# Altium PCB OpenCore_Carrier_Board.PcbDoc (part 2 of 5)
Units mm, origin at the board's own origin, x right, y up, seen from the top; angles counter-clockwise.
Board outline 161.24 x 91.44 mm, 6 copper layers (TOP, L2 GND, L3 PWR, L4 SIG, L5 GND, BOT), stack 1.538 mm thick; 268 components, 173 nets, 1302 pads, 1165 vias.
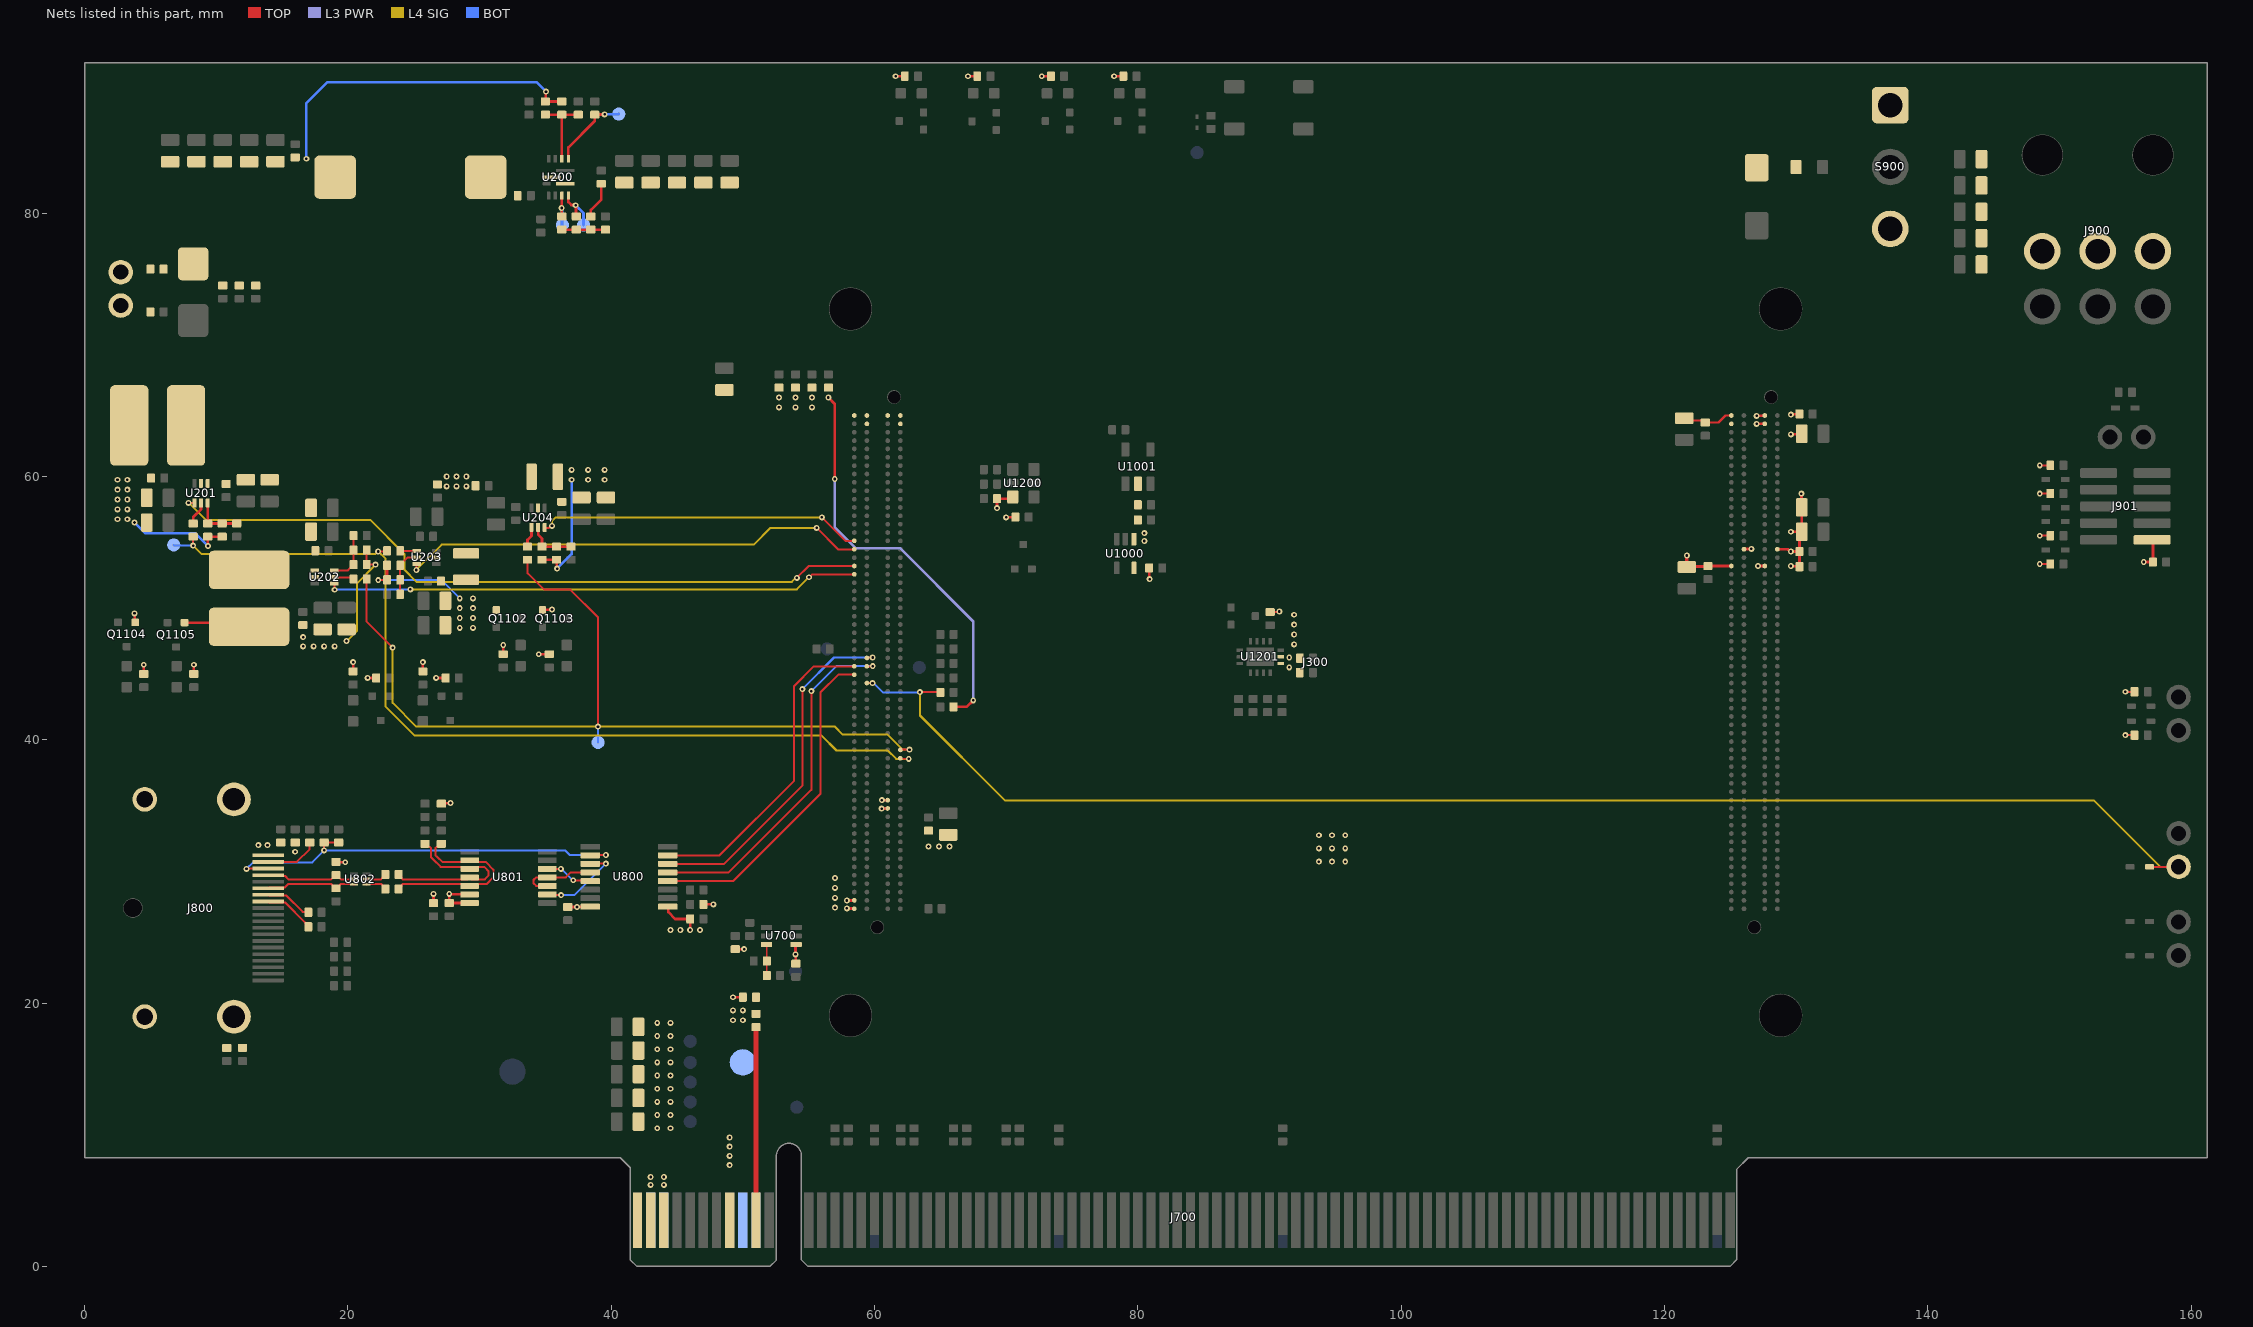
[diagram p6: the nets of this part, all layers, seen from the top]

## Footprints (in the part's own frame and the unit in brackets; to place one, negate y for a bottom-side part, rotate by r counter-clockwise, add the part's x,y. Pads: shape width x height; smd on the part's side, far side on the other; paste and mask are expansions set on the pad) (continued)
TI_TSSOP14_PW [mm] "TSOP, 14-Leads, Body 5.00x4.40mm, Pitch 0.65mm, IPC Medium Density"
  rrect25% 1.4x0.45 smd mask+0.05: 1(-2.95,1.95) 2(-2.95,1.3) 3(-2.95,0.65) 4(-2.95,0) 5(-2.95,-0.65) 6(-2.95,-1.3) 7(-2.95,-1.95) 8(2.95,-1.95) 9(2.95,-1.3) 10(2.95,-0.65) 11(2.95,0) 12(2.95,0.65) 13(2.95,1.3) 14(2.95,1.95)
  silkscreen extent -3.1,-2.55 1.85,2.7, body extent -3.2,-2.55 3.2,2.55, height 1.2
TP_1MM [mm] "1MM SMD Round Pad"
  round 1 smd: 1(0,0)
TP_2MM [mm] "2MM SMD Round Pad"
  round 2 smd: 1(0,0)

## Part data
C200 C207 C208 C215 C220 C223 C224 C226 C231 C233 C234 C236 C300 C301 C303 C400 C401 C402 C403 C500 C502 C600 C602 C604 C700 C701 C702 C703 C704 C705 C706 C707 C708 C709 C800 C801 C802 C803 C804 C805 C806 C807 C808 C809 C810 C811 C812 C813 C905 C906 C907 C908 C1000 C1001 C1002 C1003 C1200 C1201 C1202: library part CAP_CL05A104KA5NNNC, "CAP CER 0.1UF 25V X5R 0402", Case/Package=0402, Manufacturer="Samsung Electro-Mechanics", Manufacturer Part Number 1=CL05A104KA5NNNC, Temperature Coefficient=X5R, TOLERANCE=10%, Voltage Rating=25V, Mounting Type="Surface Mount"
C201: library part CAP_CL05C220JB51PNC, "CAP CER 22PF 50V C0G/NP0 0402", Case/Package=0402, Manufacturer="Samsung Electro-Mechanics", Manufacturer Part Number 1=CL05C220JB51PNC, Temperature Coefficient=C0G, TOLERANCE=5%, Voltage Rating=50V, Mounting Type="Surface Mount"
C202 C209 C210 C211 C212 C213 C225 C227 C235 C237 C238 C239 C240 C241 C710 C711 C712 C713 C714 C900 C901 C902 C903 C904: library part CAP_CL21A226MAYNNNE, "CAP CER 22UF 25V X5R 0805", Case/Package=0805, Manufacturer="Samsung Electro-Mechanics", Manufacturer Part Number 1=CL21A226MAYNNNE, Temperature Coefficient=X5R, TOLERANCE=20%, Voltage Rating=25V, Mounting Type="Surface Mount"
C203 C204 C205 C206 C218 C219 C221 C222 C230 C232 C302 C304 C501 C503 C601 C603 C605: library part CAP_CL21A106KAYNNNE, "CAP CER 10UF 25V X5R 0805", Case/Package=0805, Manufacturer="Samsung Electro-Mechanics", Manufacturer Part Number 1=CL21A106KAYNNNE, Temperature Coefficient=X5R, TOLERANCE=10%, Voltage Rating=25V, Mounting Type="Surface Mount"
C214: library part CAP_CL10A105KA8NNNC, "CAP CER 1UF 25V X5R 0603", Case/Package=0402, Manufacturer="Samsung Electro-Mechanics", Manufacturer Part Number 1=CL10A105KA8NNNC, Temperature Coefficient=X5R, TOLERANCE=10%, Voltage Rating=25V, Mounting Type="Surface Mount"
C216 C217: library part CAP_CC0402JRNPO9BN560, "CAP CER 56PF 50V C0G/NPO 0402", Case/Package=0402, Manufacturer=YAGEO, Manufacturer Part Number 1=CC0402JRNPO9BN560, Temperature Coefficient=C0G, TOLERANCE=5%, Voltage Rating=50V, Mounting Type="Surface Mount"
C228 C229: library part CAP_CL05C121JB51PNC, "CAP CER 120PF 50V C0G/NP0 0402", Case/Package=0402, Manufacturer="Samsung Electro-Mechanics", Manufacturer Part Number 1=CL05C121JB51PNC, Temperature Coefficient=C0G, TOLERANCE=5%, Voltage Rating=50V, Mounting Type="Surface Mount"
C1004: library part CAP_GRM155R71E473KA88D, "CAP CER 0.047UF 25V X7R 0402", Case/Package=0402, Manufacturer="Murata Electronics", Manufacturer Part Number 1=GRM155R71E473KA88D, Temperature Coefficient=X7R, TOLERANCE=10%, Voltage Rating=25V, Mounting Type="Surface Mount"
D304 D305 D400 D401 D402 D901 D902 D904 D905 D906: "TVS DIODE 3.6VWM 6.3VC SOT5X3", Manfacturer Part Number=ESD321DYAR
D900: library part SMAJ15CA, "24.4V Clamp 16.4A Ipp Tvs Diode Surface Mount DO-214AC (SMA)", Manufacturer Part Number=SMAJ15CA
D903: "Diode 50 V 1A Surface Mount SMA", Current Rating=1A, Forward Voltage=1.1V, Reverse Voltage=50V, Manufacturer Part Number=S1A-13-F
D1000: "TVS DIODE 5VWM SOD923", Manufacturer Part Number=ESD9B5.0ST5G
D1100 D1101: library part .LED_ORANGE, Manufacturer Part Number=150060AS75000
D1102 D1103 D1104 D1105 D1106 D1107 D1108 D1109: library part .LED_GREEN, Manufacturer Part Number=150060VS75000
F900: "FUSE SMD 4A 32V", Current Rating=4A, Manufacturer 1=Vishay, Manufacturer Part Number 1=MFU0603FF04000P500, Package/Footprint=0603, Supplier Part Number 1=749-MFU0603FF04000P500DKR-ND, Voltage Rating (DC)=32V, Mounting Type=SMD, Supplier 1=Digi-Key
J300: library part KRIA_K26_SOM, "2 x 240 pos Samtec REF-226081-01", Manufacturer=Samtec, Manufacturer Part Number=REF-226081-01, Number of Positions=480, Number of Rows=8
J301 J401 J402 J403 J902: "CONN HEADER VERT 2POS 2.54MM", Manufacturer Part Number=M20-9770246, Positions=2, Rows=1
J700: "PCIe 3.3V x16"
J800: "CONN RCPT DISPLAYPORT 20P SMD RA", Manufacturer_Name=Molex, Mouser Part Number=N/A, Arrow Part Number=0472720001, Arrow Price/Stock=https://www.arrow.com/en/products/0472720001/molex?region=europe, Datasheet Link=http://www.molex.com/pdm_docs/sd/472720001_sd.pdf, Height=6.9mm, Manufacturer_Part_Number=0472720001, Mouser Price/Stock=https://www.mouser.co.uk/ProductDetail/Molex/0472720001?qs=PBcRNPEHKsrarbeLf7n8sg%3D%3D
J900: "Connector Header Through Hole, Right Angle 6 position 0.165\" (4.20mm)", Manufacturer_Name=Molex, Mouser Part Number=N/A, Arrow Part Number=0455580003, Arrow Price/Stock=https://www.arrow.com/en/products/0455580003/molex?region=nac, Datasheet Link=http://www.molex.com/pdm_docs/sd/455580003_sd.pdf, Height=10mm, Manufacturer_Part_Number=0455580003, Mouser Price/Stock=https://www.mouser.co.uk/ProductDetail/Molex/0455580003?qs=PBcRNPEHKsr%252BGoTfgbyscA%3D%3D
J901: "CONN HEADER SMD 10POS 1.27MM", Manufacturer=Samtec, Manufacturer Part Number 1=FTSH-105-01-F-DV-K, Number of Positions=10, Number of Rows=2
L200: library part IND_IHLP5050CEER1R5M01, "FIXED IND 1.5UH 19A 5.5 MOHM SMD", Case/Package=Nonstandard, Current Rating=19A, DC Resistance (DCR)=5.5mOhm, Inductance=1.5uH, Manufacturer="Vishay Dale", Saturation Current=35A, TOLERANCE=20%, Manufacturer Part Number=IHLP5050CEER1R5M01
L201 L202: library part IND_SDCHA1V6045-2R2-R, "IND SMD POWER 2.2UH 6.0A", Case/Package=Nonstandard, Current Rating=6A, DC Resistance (DCR)=15mOhm, Inductance=2.2uH, Manufacturer="Eaton - Electronics Division", Saturation Current=9.5A, TOLERANCE=20%, Manufacturer Part Number=SDCHA1V6045-2R2-R
L203 L204: library part IND_DFE252012F-1R0M, "FIXED IND 1UH 3.3A 0.04OHM SMD", Case/Package=2520, Current Rating=3.3A, DC Resistance (DCR)=40mOhm, Inductance=1uH, Manufacturer="Murata Electronics", Saturation Current=4.7A, TOLERANCE=20%, Manufacturer Part Number=DFE252012F-1R0M
Q1100 Q1101 Q1102 Q1103 Q1104 Q1105 Q1106 Q1107 Q1108 Q1109 Q1200 Q1201: "MOSFET N-CH 60V 320MA SOT323"
R200 R206 R219 R220 R804 R805 R812: library part .RES_RC0402FR-07100KL, "RES 100K OHM 1% 1/16W 0402", Case/Package=0402, Manufacturer=YAGEO, Manufacturer Part Number=RC0402FR-07100KL, Resistance=100K, TOLERANCE=1%
R201 R203 R207 R209 R213 R214 R215 R217 R300 R301 R302 R303 R304 R701 R702 R703 R704 R705 R706 R707 R708 R806 R809 R810 R811 R904 R905 R1201 R1202: library part .RES_RC0402JR-070RL, "RES 0 OHM JUMPER 1/16W 0402", Case/Package=0402, Manufacturer=YAGEO, Manufacturer Part Number=RC0402JR-070RL, Resistance=0R, TOLERANCE=1%
R202: library part .RES_RC0402FR-07147KL, "RES 147K OHM 1% 1/16W 0402", Case/Package=0402, Manufacturer=YAGEO, Manufacturer Part Number=RC0402FR-07147KL, Resistance=147K, TOLERANCE=1%
R204 R205: library part .RES_RC0402FR-0720KL, "RES 20K OHM 1% 1/16W 0402", Case/Package=0402, Manufacturer=YAGEO, Manufacturer Part Number=RC0402FR-0720KL, Resistance=20K, TOLERANCE=1%
R208 R210: library part .RES_RC0402FR-0745K3L, "RES 45.3K OHM 1% 1/16W 0402", Case/Package=0402, Manufacturer=YAGEO, Manufacturer Part Number=RC0402FR-0745K3L, Resistance=45.3K, TOLERANCE=1%
R211 R212 R402 R1200 R1204: library part .RES_RC0402FR-0710KL, "RES 10K OHM 1% 1/16W 0402", Case/Package=0402, Manufacturer=YAGEO, Manufacturer Part Number=RC0402FR-0710KL, Resistance=10K, TOLERANCE=1%
R216 R218: library part .RES_RC0402FR-07200KL, "RES 200K OHM 1% 1/16W 0402", Case/Package=0402, Manufacturer=YAGEO, Manufacturer Part Number=RC0402FR-07200KL, Resistance=200K, TOLERANCE=1%
R305 R400 R401 R700 R900 R901 R902 R903 R1102 R1103: library part .RES_RC0402FR-074K7L, "RES 4.7K OHM 1% 1/16W 0402", Case/Package=0402, Manufacturer=YAGEO, Manufacturer Part Number=RC0402FR-074K7L, Resistance=4.7K, TOLERANCE=1%
R800: library part .RES_RC0402FR-072K49L, "RES 2.49K OHM 1% 1/16W 0402", Case/Package=0402, Manufacturer=YAGEO, Manufacturer Part Number=RC0402FR-072K49L, Resistance=2.49K, TOLERANCE=1%
R801: library part .RES_RC0402FR-071K5L, "RES 1.5K OHM 1% 1/16W 0402", Case/Package=0402, Manufacturer=YAGEO, Manufacturer Part Number=RC0402FR-071K5L, Resistance=1.5K, TOLERANCE=1%
R802 R803: library part .RES_RC0402FR-0749R9L, "RES 49.9 OHM 1% 1/16W 0402", Case/Package=0402, Manufacturer=YAGEO, Manufacturer Part Number=RC0402FR-0749R9L, Resistance=49.9R, TOLERANCE=1%
R807 R808: library part .RES_RC0402FR-071ML, "RES 1M OHM 1% 1/16W 0402", Case/Package=0402, Manufacturer=YAGEO, Manufacturer Part Number=RC0402FR-071ML, Resistance=1M, TOLERANCE=1%
R1100 R1101 R1104 R1105 R1106 R1107 R1108 R1109 R1110 R1111: library part .RES_RC0402FR-07300RL, "RES 300 OHM 1% 1/16W 0402", Case/Package=0402, Manufacturer=YAGEO, Manufacturer Part Number=RC0402FR-07300RL, Resistance=300R, TOLERANCE=1%
R1203 R1205 R1206 R1207: library part .RES_RC0402FR-0733RL, "RES 33 OHM 1% 1/16W 0402", Case/Package=0402, Manufacturer=YAGEO, Manufacturer Part Number=RC0402FR-0733RL, Resistance=33R, TOLERANCE=1%
S900: "SWITCH SLIDE SPDT 5A 28V", Manufacturer 1=E-Switch, Manufacturer Part Number 1=500SSP1S2M2QEA, Package/Footprint=TH, Supplier Part Number 1=EG5137-ND, Voltage Rating (DC)=28V, Mounting Type=TH, Supplier 1=Digi-Key, Throw Configuration=SPDT
SW1000: "SWITCH TACTILE SPST-NO 0.05A 12V"
TP200 TP201 TP202 TP203 TP204 TP300 TP400 TP700 TP701 TP702 TP703 TP704 TP705 TP709 TP1000: library part TP_1MM
TP706 TP707: library part TP_2MM
U200: "IC REG BUCK ADJ 8A 12-PowerVFQFN", Manufacturer="Texas Instruments", Manufacturer Part Number=TPS51386RJNR
U201 U202: "IC REG BUCK ADJ 3A SOT563"
U203 U204: "IC REG BUCK ADJ 1A SOT5X3", Manufacturer="Texas Instruments", Manufacturer Part Number=TLV62568ADRLR
U700: "IC TRANSLTR BIDIRECTIONAL 6TSSOP"
U800: "IC TRANSLATION TXRX 3.6V 16TSSOP", Manufacturer_Name=Nexperia, Mouser Part Number=771-74AVC4T245PW118, Supplier Part Number 1=1727-6573-6-ND, Arrow Part Number=74AVC4T245PW,118, Arrow Price/Stock=https://www.arrow.com/en/products/74avc4t245pw118/nexperia?region=nac, Datasheet Link=https://assets.nexperia.com/documents/data-sheet/74AVC4T245.pdf, Height=1.1mm, Manufacturer_Part_Number=74AVC4T245PW,118, Mouser Price/Stock=https://www.mouser.co.uk/ProductDetail/Nexperia/74AVC4T245PW118?qs=Lc7Es0%252BIaGKdmOKZhQIwZQ%3D%3D, Supplier 1=Digi-Key
U801: "IC TRANSCEIVER FULL 1/1 14TSSOP", Manufacturer_Name="Texas Instruments", Datasheet Link=https://www.ti.com/lit/ds/symlink/sn65lvds050.pdf, Height="1.2 mm", Manufacturer_Part_Number=SN65LVDS180PWR
U802: "TVS DIODE 3.3VWM 13VC DFN1210-6", Manufacturer_Name="Wurth Elektronik", Mouser Part Number=710-824012823, Supplier Part Number=732-11794-6-ND, Voltage Breakdown=4.5V, Datasheet Link=https://www.we-online.com/catalog/datasheet/824012823.pdf, Height=0.5mm, Manufacturer_Part_Number=824012823, Mouser Price/Stock=https://www.mouser.co.uk/ProductDetail/Wurth-Elektronik/824012823?qs=rrS6PyfT74dPtw7q26tZFg%3D%3D, Supplier 1=Digi-Key
U1000: "IC TRANSLATOR UNIDIR SC70-5"
U1001: "IC SUPERVISOR 1 CHANNEL SOT23-5"
U1200: "MEMS OSC XO 27.0000MHZ LVDS SMD"
U1201: "IC CLOCK GEN PCIE 14QFN"

## Via types
v1: diameter 0.45, hole 0.2, TOP to BOT, tented both sides, 1165 vias

## Nets (pads, with @x,y where several pads share a name; then routed paths per layer and width w, separated by ;. In a path a pad name is that pad's centre, name@x,y a point inside that pad or via, vN(x,y) a via of type N, cw(c..) or ccw(c..) an arc to the next point about the centre after c; other vN are vias at no path point)
1V8_PL_FB: C229.2 R218.2 R220.1 U204.5 | length 3.8
  TOP w0.203: U204.5@34.45,56.135 34.45,55.58 34.75,55.28 C229.2@34.75,54.675 R218.2@35.85,54.675 R220.1@36.95,54.675
1V8_PL_PG: J300.S1_D45 U204.6 | length 24.8
  TOP w0.152: U204.6@34.95,56.135 34.989,56.135 35.024,56.1 35.273,56.1 35.428,56.255 v1(35.5,56.255) ; v1(56,56.9) 57.793,55.107 J300.S1_D45@58.463,55.107
  L4 SIG w0.152: v1(35.5,56.255) 35.5,56.6 35.8,56.9 v1(56,56.9)
1V8_PL_SW: L204.1 U204.2
1V8_PS_FB: C228.2 R216.2 R219.1 U203.5 | length 3.7
  TOP w0.152: R219.1@23.978,51.054 R216.2@23.978,52.154 C228.2@23.978,53.254 23.978,53.304 24.151,53.477 24.169,53.477 24.546,53.854 U203.5@25.238,53.854
1V8_PS_PG: J300.S1_D44 U203.6 | length 35.7
  TOP w0.152: v1(25.2,52.9) 25.2,53.316 U203.6@25.238,53.354 ; v1(55.6,56.1) 57.228,54.472 J300.S1_D44@58.463,54.472
  L4 SIG w0.152: v1(25.2,52.9) 27.126,54.826 50.826,54.826 52.1,56.1 v1(55.6,56.1)
1V8_PS_SW: L203.1 U203.2
3V3_AUX: J700.B10 R701.1 | length 14.7
  TOP w0.381: J700.B10@51,3.5 51,18.156 R701.1@51.025,18.181
3V3_PL_FB: C217.2 R210.2 R212.1 U202.6 | length 3.9
  TOP w0.152: U202.6@18.972,52.861 19.982,52.861 20.183,53.063 20.233,53.063 20.432,53.261 C217.2@20.432,53.311 R210.2@20.432,54.411 R212.1@20.432,55.511
3V3_PL_PG: J300.S1_D41 U202.4 | length 40.4
  TOP w0.152: U202.4@18.972,51.861 19,51.833 v1(19,51.4) ; v1(55.021,52.345) 55.037,52.345 55.259,52.567 J300.S1_D41@58.463,52.567
  L4 SIG w0.152: v1(24.748,51.429) 54.105,51.429 v1(55.021,52.345)
  BOT w0.152: v1(19,51.4) 19.014,51.414 24.733,51.414 v1(24.748,51.429)
3V3_PL_SW: L202.1 U202.2
3V3_PS_FB: C216.2 R208.2 R211.1 U201.6 | length 3.8
  TOP w0.203: U201.6@9.353,57.987 C216.2@9.353,56.427 R208.2@10.453,56.427 R211.1@11.553,56.427
3V3_PS_PG: J300.S1_D42 U201.4 | length 54.7
  TOP w0.152: v1(7.9,58) 8.34,58 U201.4@8.353,57.987 ; v1(54.1,52.3) 55.002,53.202 J300.S1_D42@58.463,53.202
  L4 SIG w0.152: v1(7.9,58) 9.2,56.7 21.685,56.7 24.3,54.085 24.3,52.9 25.2,52 53.719,52 54.019,52.3 v1(54.1,52.3)
3V3_PS_SW: L201.1 U201.2
5V_EN: R201.2 TP200.1 U200.11 | length 2.9
  TOP w0.203: R201.2@36.251,79.751 36.246,79.755 36.246,80.384 v1(36.242,80.388) 36.246,80.393 36.246,81.328 U200.11@36.251,81.333
  BOT w0.203: v1(36.242,80.388) 36.271,80.359 36.271,79.129 TP200.1@36.3,79.1
5V_EN_R: R200.2 R201.1 R203.1 R205.1 | length 3.3
  TOP w0.203: R201.1@36.251,78.751 R203.1@37.35,78.75 R200.2@38.45,78.75 R205.1@39.566,78.751
5V_FB: C201.2 R202.2 R204.1 U200.4 | length 5.8
  TOP w0.203: C201.2@35.001,87.483 R202.2@36.251,87.483 ; U200.4@36.251,84.133 R202.2@36.251,87.483 ; R204.1@37.501,87.483 R202.2@36.251,87.483
5V_MODE: R203.2 TP201.1 U200.12 | length 3.8
  TOP w0.203: U200.12@36.751,81.333 36.751,80.849 36.979,80.621 37.279,80.621 37.325,80.575 37.325,79.775 R203.2@37.35,79.75
  BOT w0.203: v1(37.3,80.6) 37.9,80 TP201.1@37.9,79.1
5V_PG: R206.2 TP204.1 U200.3 | length 6
  TOP w0.203: U200.3@36.751,84.133 36.751,84.983 38.751,86.983 R206.2@38.751,87.483 38.759,87.492 39.492,87.492 v1(39.5,87.5)
  BOT w0.203: v1(39.5,87.5) 39.513,87.513 40.56,87.513 TP204.1@40.574,87.526
5V_SW: C200.2 L200.1 U200.7
+1V8_PL: C229.1 C234.1 C235.1 C240.1 C303.1 C304.1 C500.1 C501.1 C502.1 C503.1 C600.1 C601.1 C602.1 C603.1 C700.1 J300.S1_B13 J300.S1_B14 J300.S1_D1 J300.S1_D2 J300.S2_A44 J300.S2_B42 J300.S2_B59 J300.S2_B60 J300.S2_C44 J300.S2_D42 L204.2 Q1103.1 R218.1 R707.1 U700.1 | length 31
  TOP w0.203: C229.1@34.75,53.675 R218.1@35.85,53.675 35.875,53.65 35.875,53.025 v1(35.9,53) ; Q1103.1@34.775,49.85 34.8,49.875 35.475,49.875 v1(35.5,49.9) ; R707.1@49.425,24.1 v1(50.1,24.1) ; C700.1@54.025,23 54.013,23.012 54.013,23.688 v1(54,23.7) 54,24.4 U700.1@54.05,24.45 ; v1(57.9,27.2) 57.916,27.184 58.447,27.184 J300.S1_D1@58.463,27.167 ; v1(57.9,27.8) 57.901,27.801 58.462,27.801 J300.S1_D2@58.463,27.802 ; v1(60.545,34.771) 60.554,34.779 60.995,34.779 J300.S1_B13@61.003,34.787 ; v1(60.563,35.417) 60.566,35.42 61,35.42 J300.S1_B14@61.003,35.422 ; J300.S2_C44@126.035,54.472 126.049,54.486 126.586,54.486 v1(126.6,54.5) ; v1(127,64) 127.001,63.999 J300.S2_B59@127.615,63.997 J300.S2_B59@127.615,63.997 ; v1(127,64.6) 127.016,64.616 127.599,64.616 J300.S2_B60@127.615,64.632 ; v1(127.1,53.2) 127.101,53.201 127.614,53.201 J300.S2_B42@127.615,53.202 ; J300.S2_A44@128.575,54.472 129.361,54.472 129.533,54.3 v1(129.6,54.3) C500.1@130.25,54.3 ; v1(129.6,53.2) 129.625,53.175 130.225,53.175 C600.1@130.25,53.15 C500.1@130.25,54.3 ; v1(129.6,55.8) C501.1@130.425,55.8 ; v1(129.6,63.2) 130.375,63.2 C503.1@130.425,63.25 ; v1(129.6,64.7) 129.625,64.725 130.225,64.725 C502.1@130.25,64.75 ; v1(130.4,58.7) 130.4,57.675 C601.1@130.425,57.65 C501.1@130.425,55.8 ; C500.1@130.25,54.3 130.25,55.625 C501.1@130.425,55.8
  TOP w0.254: v1(121.7,54) C603.1@121.7,53.125 121.737,53.162 123.262,53.162 C602.1@123.3,53.2 123.301,53.201 125.074,53.201 J300.S2_D42@125.075,53.202
  BOT w0.203: v1(35.9,53) 37,54.1 v1(37,59.75)
  other v1: 57,27.25 57,28 57,28.75 57,29.5 93.75,30.75 94.75,30.75 95.75,30.75 93.75,31.75 94.75,31.75 95.75,31.75 64.1,31.9 64.9,31.9 65.7,31.9 93.75,32.75 94.75,32.75 95.75,32.75 38.25,59.75 39.5,59.75 37,60.5 38.25,60.5 39.5,60.5
+1V8_PS: C228.1 C236.1 C237.1 C241.1 C812.1 C905.1 C1001.1 J901.1 L203.2 Q1102.1 R216.1 R400.1 R401.1 R810.1 R900.1 R901.1 R902.1 R903.1 R1102.1 R1103.1 U800.1 U1000.5 | length 21.7
  TOP w0.152: v1(22.308,52.13) R216.1@22.954,52.13 ; v1(148.5,53.35) R900.1@149.3,53.35 ; v1(148.5,55.5) R901.1@149.3,55.5 ; v1(148.5,58.7) R902.1@149.3,58.7 ; v1(148.5,60.85) R903.1@149.3,60.85 ; v1(155,40.35) R401.1@155.7,40.35 ; v1(155,43.65) R400.1@155.7,43.65
  TOP w0.203: v1(21.5,44.7) R1102.1@22.15,44.7 ; R216.1@22.954,52.13 R216.1@22.978,52.154 C228.1@22.978,53.254 ; v1(26.7,44.7) R1103.1@27.424,44.7 ; U800.1@44.288,27.325 44.336,27.277 44.336,26.914 44.857,26.393 45.993,26.393 C812.1@46,26.4 v1(46,25.55) ; R810.1@47,27.5 v1(47.755,27.5) ; C1001.1@80.85,53.05 80.875,53.025 80.875,52.225 v1(80.9,52.2)
  TOP w0.254: v1(156.4,53.5) C905.1@157.1,53.5 157.1,55.117 J901.1@157.032,55.185
  BOT w0.152: v1(22.308,52.13) 27.115,52.13 v1(28.5,50.745)
  other v1: 44.5,25.55 45.25,25.55 46.75,25.55 28.5,48.5 29.5,48.5 28.5,49.25 29.5,49.25 28.5,50 29.5,50 29.5,50.745
+3V3_PCIE: C701.1 J700.A9 J700.A10 J700.B8 R700.1 R701.2 R706.1 TP706.1 U700.6 | length 2.4
  TOP w0.127: U700.6@51.8,24.45 51.825,24.425 C701.1@51.825,23.2 R700.1@51.825,22.1
  other v1: 49,7.7 49,8.4 49,9.1 49,9.8 49.25,18.7 50,18.7 49.25,19.45 50,19.45
+3V3_PL: C217.1 C226.1 C227.1 C239.1 C604.1 C605.1 C1201.1 C1202.1 J300.S2_D59 J300.S2_D60 L202.2 Q1105.1 R210.1 R1204.1 U1201.12 U1201.13 | length 18.2
  TOP w0.152: R210.1@21.432,54.411 C217.1@21.432,53.311 21.437,53.306 22.094,53.306 v1(22.1,53.3) ; R1204.1@90.05,49.7 90.075,49.725 90.725,49.725 v1(90.75,49.75) ; C605.1@121.5,64.425 121.681,64.244 122.956,64.244 C604.1@123.1,64.1 124.1,64.1 124.632,64.632 J300.S2_D60@125.075,64.632
  TOP w0.203: Q1105.1@7.6,48.9 12.19,48.9 L202.2@12.5,48.59
  L4 SIG w0.152: v1(19.9,47.5) 20.7,48.3 20.7,51.9 v1(22.1,53.3)
  other v1: 91.5,45.5 91.5,46.25 16.6,47.1 17.4,47.1 18.2,47.1 19,47.1 91.875,47.25 16.6,47.8 91.875,48 91.875,48.75 91.875,49.5
+3V3_PS: C216.1 C224.1 C225.1 C238.1 C802.1 C804.1 C805.1 C810.1 C811.1 C1000.1 C1002.1 C1200.1 J800.20 L201.2 Q1104.1 R208.1 R706.2 R800.1 R804.1 R1200.1 U800.16 U801.13 U801.14 U1000.1 U1001.2 U1200.6 | length 19.8
  TOP w0.203: v1(3.8,49.6) 3.825,49.575 3.825,48.95 Q1104.1@3.85,48.925 ; v1(9.377,54.723) 9.365,54.735 9.365,55.415 C216.1@9.353,55.427 R208.1@10.453,55.427 ; R804.1@19.1,30.725 19.113,30.713 19.787,30.713 v1(19.8,30.7) ; C811.1@26.5,27.6 v1(26.5,28.3) ; R800.1@27.1,35.15 27.125,35.175 27.775,35.175 v1(27.8,35.2) ; U801.14@29.25,27.6 C810.1@27.7,27.6 v1(27.7,28.3) 27.725,28.275 29.225,28.275 U801.13@29.25,28.25 ; C802.1@36.8,27.3 v1(37.4,27.3) 37.413,27.313 38.4,27.313 U800.16@38.412,27.325 ; v1(49.25,20.45) R706.2@50,20.45 ; v1(69.3,57.6) 69.302,57.602 69.302,58.315 C1200.1@69.305,58.317 70.38,58.317 U1200.6@70.505,58.442 ; v1(70,56.9) 70.009,56.909 70.696,56.909 R1200.1@70.705,56.917
  BOT w0.203: v1(3.8,56.5) 4.6,55.7 8.4,55.7 v1(9.377,54.723)
  other v1: 16,31.5 13.2,32 13.9,32 80.5,55.1 80.5,55.7 2.5,56.75 3.25,56.75 2.5,57.5 3.25,57.5 2.5,58.25 3.25,58.25 2.5,59 3.25,59 2.5,59.75 3.25,59.75
+5V: C201.1 C208.1 C209.1 C210.1 C211.1 C212.1 C213.1 C218.1 C219.1 C220.1 C221.1 C222.1 C223.1 C300.1 C301.1 C302.1 C400.1 C401.1 C906.1 C907.1 C908.1 D903.K J300.S1_A59 J300.S1_A60 J300.S1_B60 J300.S1_C59 J300.S1_C60 J300.S1_D60 L200.2 R202.1 R213.1 R214.1 R305.1 R904.2 R1100.1 R1101.1 R1104.1 R1105.1 R1106.1 R1107.1 R1108.1 R1109.1 R1110.1 R1111.1 U201.1 U202.1 | length 63.7
  TOP w0.203: R1106.1@4.5,45 v1(4.5,45.7) ; R1107.1@8.3,45 v1(8.3,45.7) ; R1100.1@20.4,45.2 v1(20.4,45.9) ; R1101.1@25.7,45.2 v1(25.7,45.9) ; R1104.1@31.8,46.5 v1(31.8,47.2) ; v1(34.5,46.5) R1105.1@35.3,46.5 ; v1(35.051,89.233) 35.026,89.208 35.026,88.508 C201.1@35.001,88.483 R202.1@36.251,88.483 ; v1(56.5,66) 56.979,65.521 v1(56.979,59.805) ; v1(61.6,90.4) R1108.1@62.3,90.4 ; R305.1@66,42.5 67,42.5 v1(67.5,43) ; v1(67.1,90.4) R1109.1@67.8,90.4 ; v1(72.7,90.4) R1110.1@73.4,90.4 ; v1(78.2,90.4) R1111.1@78.9,90.4
  L3 PWR w0.203: v1@56.979,59.791 56.979,56.121 58.54,54.56 61.94,54.56 67.5,49 v1(67.5,43)
  BOT w0.203: v1(16.851,84.133) 16.851,88.351 18.433,89.933 34.351,89.933 v1(35.051,89.233)
  other v1: 27.5,59.25 28.25,59.25 29,59.25 27.5,60 28.25,60 29,60 52.75,65.25 54,65.25 55.25,65.25 52.75,66 54,66 55.25,66
+12V: C202.1 C203.1 C204.1 C205.1 C206.1 C207.1 D900.A F900.2 R200.1 U200.1 | length 2.8
  TOP w0.203: R200.1@38.45,79.75 38.45,80.25 39.251,81.051 C207.1@39.251,82.233
+12V_EXT: C900.1 C901.1 C902.1 C903.1 C904.1 J900.1 J900.2 J900.3 S900.1
+12V_PCIE: C710.1 C711.1 C712.1 C713.1 C714.1 J700.A2 J700.A3 J700.B1 J700.B2 J700.B3 S900.3
  other v1: 43,6.2 44,6.2 43,6.8 44,6.8 43.5,10.5 44.5,10.5 43.5,11.5 44.5,11.5 43.5,12.5 44.5,12.5 43.5,13.5 44.5,13.5 43.5,14.5 44.5,14.5 43.5,15.5 44.5,15.5 43.5,16.5 44.5,16.5 43.5,17.5 44.5,17.5 43.5,18.5 44.5,18.5
DP_AUX_C_N: C801.2 U802.2 | length 1.6
  TOP w0.152: U802.2@21.425,29.425 21.447,29.403 22.503,29.403 22.601,29.501 22.626,29.501 22.85,29.725 C801.2@22.85,29.775
DP_AUX_C_P: C800.2 U802.1 | length 1.6
  TOP w0.152: U802.1@21.425,29.025 21.447,29.047 22.528,29.047 22.85,28.725 C800.2@22.85,28.675
DP_AUX_C_TVS_N: J800.17 R804.2 U802.5 | length 6.9
  TOP w0.152: J800.17@13.95,29.725 14.014,29.661 15.224,29.661 15.482,29.403 17.294,29.403 18.737,29.403 18.826,29.492 18.826,29.501 19.05,29.725 R804.2@19.1,29.725 ; R804.2@19.15,29.725 19.374,29.501 19.374,29.492 19.463,29.403 20.453,29.403 U802.5@20.475,29.425
DP_AUX_C_TVS_P: J800.15 R805.1 U802.6 | length 6.9
  TOP w0.152: J800.15@13.95,28.725 14.014,28.789 15.224,28.789 15.482,29.047 17.441,29.047 18.737,29.047 18.826,28.958 18.826,28.949 19.05,28.725 R805.1@19.1,28.725 ; R805.1@19.15,28.725 19.374,28.949 19.374,28.958 19.463,29.047 20.453,29.047 U802.6@20.475,29.025
DP_AUX_IN_1V8: J300.S1_C31 U800.6 | length 26.8
  TOP w0.152: U800.6@44.288,30.575 48.575,30.575 54.525,36.525 v1(54.525,43.85) ; J300.S1_C31@59.423,46.217 59.439,46.234 59.839,46.234 v1(59.855,46.25)
  BOT w0.152: v1(54.525,43.85) 56.925,46.25 v1(59.855,46.25)
DP_AUX_IN_3V3: U800.11 U801.2 | length 6.7
  TOP w0.152: U801.2@35.15,28.25 35.175,28.225 36.175,28.225 v1(36.2,28.2) ; U800.11@38.412,30.575 38.425,30.587 39.588,30.587 v1(39.6,30.6)
  BOT w0.152: v1(36.2,28.2) 37.2,28.2 v1(39.6,30.6)
DP_AUX_N: C801.1 R803.2 U801.10 U801.11 | length 13.8
  TOP w0.152: C801.1@23.85,29.775 24.074,29.551 24.074,29.492 24.163,29.403 26.519,29.403 29.103,29.403 U801.11@29.25,29.55 29.397,29.403 30.403,29.403 30.7,29.7 30.7,29.997 30.35,30.347 29.397,30.347 U801.10@29.25,30.2 29.103,30.347 27.05,30.347 26.506,30.892 26.297,31.1 26.297,31.787 26.208,31.876 26.074,31.876 R803.2@25.85,32.1
DP_AUX_OUT_1V8: J300.S1_D29 U800.4 | length 25.2
  TOP w0.152: U800.4@44.288,29.275 49.275,29.275 55.9,35.9 55.9,43.6 57.247,44.947 J300.S1_D29@58.463,44.947
DP_AUX_OUT_3V3: U800.13 U801.5 | length 3.6
  TOP w0.152: U801.5@35.15,30.2 v1(36.175,30.2) ; v1(37.118,29.332) 37.146,29.304 38.383,29.304 U800.13@38.412,29.275
  BOT w0.152: v1(36.175,30.2) 36.212,30.2 37.08,29.332 v1(37.118,29.332)
DP_AUX_P: C800.1 R802.2 U801.9 U801.12 | length 14.4
  TOP w0.152: C800.1@23.85,28.675 24.074,28.899 24.074,28.958 24.163,29.047 26.372,29.047 29.103,29.047 U801.12@29.25,28.9 29.397,29.047 30.55,29.047 31.056,29.553 31.056,30.144 30.497,30.703 U801.9@29.25,30.703 ; R802.2@27.1,32.1 26.876,31.876 26.742,31.876 26.653,31.787 26.653,31.247 26.8,31.1 27.197,30.703 29.103,30.703 U801.9@29.25,30.85
DP_CONF1: J800.13 R807.1 | length 3.9
  TOP w0.152: J800.13@13.95,27.725 14.014,27.661 15.224,27.661 16.776,26.109 16.776,26.024 R807.1@17,25.8
DP_CONF2: J800.14 R808.1 | length 3.6
  TOP w0.152: J800.14@13.95,28.225 14.014,28.161 15.339,28.161 16.56,26.939 16.961,26.939 R808.1@17,26.9
DP_HPD_1V8: J300.S1_D30 U800.7 | length 24.3
  TOP w0.152: U800.7@44.288,31.225 48.225,31.225 53.9,36.9 53.9,44.085 55.397,45.582 J300.S1_D30@58.456,45.582
DP_HPD_3V3: C813.1 J800.18 R812.1 U800.10 | length 32.6
  TOP w0.152: v1(12.3,30.2) 12.313,30.212 13.938,30.212 J800.18@13.95,30.225 ; v1(18.2,31.6) C813.1@18.2,32.2 R812.1@19.3,32.2 ; U800.10@38.412,31.225 38.425,31.237 39.588,31.237 v1(39.6,31.25)
  BOT w0.152: v1(12.3,30.2) 12.8,30.7 17.3,30.7 v1(18.2,31.6) 36.493,31.6 36.843,31.25 v1(39.6,31.25)
DP_OE_3V3: U800.12 U801.3 U801.4 | length 5.9
  TOP w0.152: U801.3@35.15,28.9 34.3,28.9 34.1,29.1 34.1,29.35 34.3,29.55 36.55,29.55 36.925,29.925 U800.12@38.412,29.925
DP_OE_N_1V8: J300.S1_C30 U800.5 | length 26.9
  TOP w0.152: U800.5@44.288,29.925 48.925,29.925 55.2,36.2 v1(55.2,43.7) ; J300.S1_C30@59.423,45.582 59.427,45.586 59.86,45.586 v1(59.863,45.59)
  BOT w0.152: v1(55.2,43.7) 57.1,45.6 59.854,45.6 v1(59.863,45.59)
DP_RETURN: J800.19 R806.1 | length 4.1
  TOP w0.152: J800.19@13.95,30.725 16.125,30.725 17.1,31.7 R806.1@17.1,32.2
DP_SHIELD: C809.1 J800.SH1 J800.SH2 J800.SH3 J800.SH4 R809.1
EN_1V8PL: R217.2 U204.4 | length 1.6
  TOP w0.203: R217.2@33.65,54.675 33.65,55.185 33.95,55.485 U204.4@33.95,56.135
EN_1V8PS: R215.2 U203.4 | length 1.3
  TOP w0.152: R215.2@23.978,54.354 U203.4@25.238,54.354
EN_3V3PL: R209.2 U202.5 | length 1.5
  TOP w0.152: U202.5@18.972,52.361 19.02,52.313 20.33,52.313 R209.2@20.432,52.211
EN_3V3PS: R207.2 U201.5 | length 1.8
  TOP w0.203: R207.2@8.253,56.427 8.258,56.432 8.258,56.913 8.849,57.503 8.849,57.983 U201.5@8.853,57.987
EN_PL: J300.S1_A20 R209.1 R217.1 TP203.1 | length 69.2
  TOP w0.127: R209.1@21.432,52.068 21.455,52.045 R209.1@21.5,52 ; R209.1@21.432,52.211 R209.1@21.455,52.188
  TOP w0.152: R209.1@21.432,52.211 21.432,52.068 21.432,48.968 v1(23.4,47) ; R209.1@21.455,52 21.455,52.045 R209.1@21.455,52.188 ; R217.1@33.65,53.675 33.65,52.65 34.9,51.4 36.9,51.4 39,49.3 v1(39,41) ; J300.S1_A20@61.963,39.232 61.976,39.246 62.646,39.246 v1(62.659,39.259)
  L4 SIG w0.152: v1(23.4,47) 23.4,42.8 25.2,41 v1(39,41) 57,41 57.6,40.4 61,40.4 62.141,39.259 v1(62.659,39.259)
  BOT w0.152: TP203.1@39,39.8 v1(39,41)
EN_PS: J300.S1_A19 R207.1 R215.1 TP202.1 | length 71.4
  TOP w0.127: R207.1@8.2,55.374 R207.1@8.253,55.427 ; R215.1@22.924,54.3 R215.1@22.978,54.354 ; J300.S1_A19@61.963,38.597 61.987,38.574 62.576,38.574 v1(62.6,38.55)
  TOP w0.152: R207.1@8.2,55.374 8.25,55.324 v1(8.25,54.75) ; v1(22.3,54.3) R215.1@22.924,54.3
  L4 SIG w0.152: v1(8.25,54.75) 8.9,54.1 22.062,54.1 22.262,54.3 v1(22.3,54.3) 22.863,53.737 22.863,48.155 22.845,48.137 22.845,42.555 25.089,40.311 55.989,40.311 57.11,39.19 60.995,39.19 61.635,38.55 v1(62.6,38.55)
  BOT w0.152: TP202.1@6.775,54.8 6.8,54.775 8.225,54.775 v1(8.25,54.75)
FAN+: J902.1 R904.1
FAN-: J902.2 R905.1
FWUEN_C2M_L: C403.1 D402.K J300.S1_C28 J403.1 | length 110.4
  TOP w0.152: J300.S1_C28@59.423,44.312 59.429,44.306 v1(59.85,44.306) ; v1(63.449,43.623) 64.776,43.623 C403.1@65.207,43.6 ; D402.K@156.84,30.355 J403.1@159.05,30.355
  L4 SIG w0.152: v1(63.449,43.623) 63.455,43.618 63.455,41.845 69.9,35.4 152.6,35.4 157.645,30.355 J403.1@159.05,30.355
  BOT w0.152: v1(59.85,44.306) 59.929,44.306 60.635,43.6 63.426,43.6 v1(63.449,43.623)